# Altium PCB PCB_HFAmp.PcbDoc (part 1 of 2) (continued)
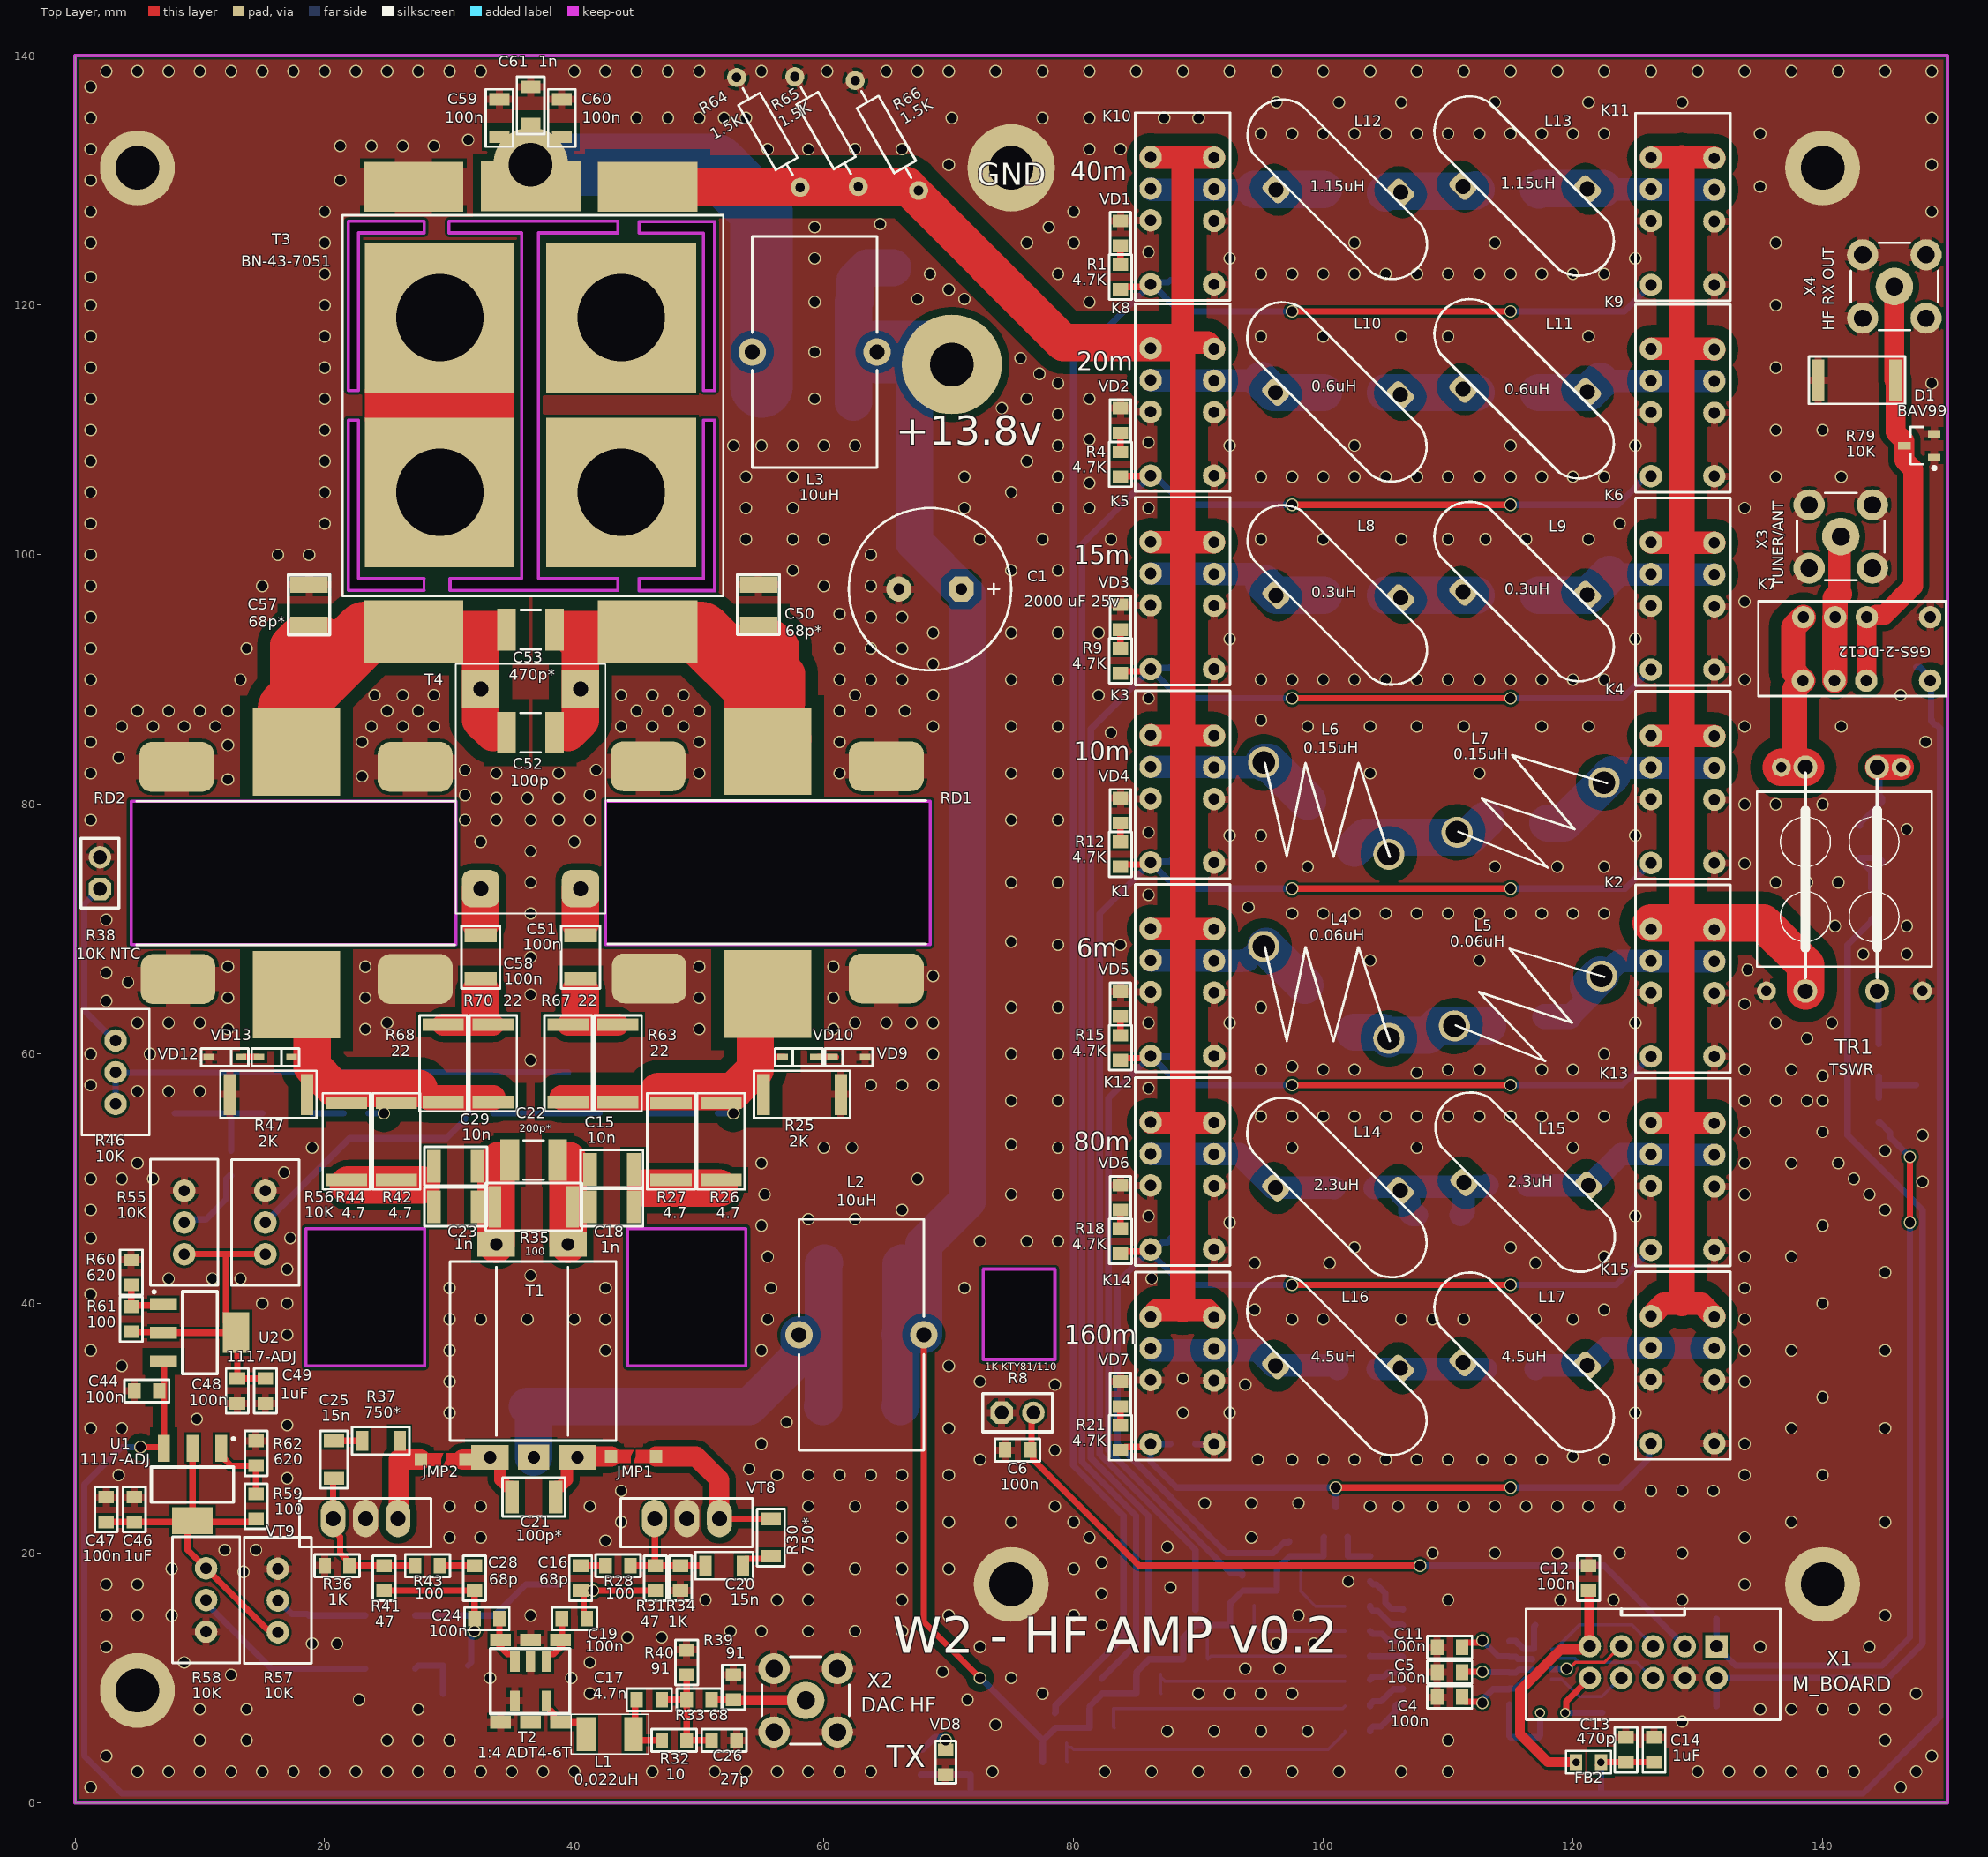
[diagram p0: Top Layer view]
## Components (designator, comment, footprint, x,y, rotation, side; value= is the part's Value field where it differs from the comment)
C1 "2000 uF 25v" D13C5H20 68.5,97.25 r180 top
C2 "470p" CH0805C 64.5,105.5 r180 bottom
C3 "1uF" CH0805C 64.5,102.5 r180 bottom
C4 "100n" CH0805C 110.12,8.46 r0 top
C5 "100n" CH0805C 110.12,10.46 r0 top
C6 "100n" CH0805C 75.5,28.25 r0 top
C7 "100n" CH0805C 122.37,6.21 r270 bottom
C8 "470p" CH0805C 115,4.25 r270 bottom
C9 "1uF" CH0805C 117.25,4.25 r270 bottom
C10 "100n" CH0805C 117,15.25 r90 bottom
C11 "100n" CH0805C 110.12,12.46 r180 top
C12 "100n" CH0805C 121.25,18 r90 top
C13 "470p" CH0805C 124.25,4.25 r90 top
C14 "1uF" CH0805C 126.5,4.25 r90 top
C15 "10n" CH1210C 43,50.75 r0 top
C16 "68p" CH0805C 40.5,18 r270 top
C17 "4.7n" CH0805C 46,8.25 r180 top
C18 "1n" CH1210C 43,47.75 r0 top
C19 "100n" CH0805C 40,14.75 r0 top
C20 "15n" CH1206C 52,19 r180 top
C21 "100p*" CH1210C 36.75,24.5 r180 top
C22 "200p*" CH1812C 36.75,51.5 r180 top
C23 "1n" CH1210C 30.5,47.75 r180 top
C24 "100n" CH0805C 33,14.75 r180 top
C25 "15n" CH1206C 20.75,27.5 r270 top
C26 "27p" CH0805C 52,5 r180 top
C27 "2.2uF" CH1206C 35.75,33.75 r90 bottom
C28 "68p" CH0805C 32,18 r270 top
C29 "10n" CH1210C 30.5,51 r180 top
C30 "1n5" CH1206C 38.25,33.75 r90 bottom
C31 "100n" CH0805C 27,59.5 r90 bottom
C32 "100n" CH0805C 8,54.25 r90 bottom
C33 "100n" CH0805C 37.5,54.25 r270 bottom
C34 "100n" CH0805C 36.25,18.5 r90 bottom
C35 "100n" CH0805C 29.5,7.75 r90 bottom
C36 "1n" CH0805C 68.75,52.25 r180 bottom
C37 "100n" CH0805C 68.75,55.25 r180 bottom
C38 "100n" CH0805C 20.75,16 r270 bottom
C39 "100n" CH0805C 20.75,9.75 r270 bottom
C40 "15n" CH0805C 10,54.25 r90 bottom
C41 "15n" CH0805C 35.5,54.25 r270 bottom
C42 "15n" CH0805C 18.75,16 r270 bottom
C43 "15n" CH0805C 18.75,9.75 r270 bottom
C44 "100n" CH0805C 5.75,33 r180 top
C45 "100n" CH0805C 71.75,3.25 r90 bottom
C46 "1uF" CH0805C 4.75,23.5 r90 top
C47 "100n" CH0805C 2.5,23.5 r90 top
C48 "100n" CH0805C 13,33 r270 top
C49 "1uF" CH0805C 15.25,33 r270 top
C50 "68p*" CH1206ATC 54.75,96 r270 top
C51 "100n" CH1210C 40.5,67.75 r90 top
C52 "100p" CH1812C 36.5,85.75 r0 top
C53 "470p*" CH1812C 36.5,94 r0 top
C54 "470p" CH1206C 62.5,125.5 r90 bottom
C55 "10n" CH1206C 70.5,108 r0 bottom
C56 "100n" CH1206C 67.5,124.75 r0 bottom
C57 "68p*" CH1206ATC 18.75,96 r90 top
C58 "100n" CH1210C 32.5,67.75 r90 top
C59 "100n" CH1206C 34,135 r270 top
C60 "100n" CH1206C 39,135 r270 top
C61 "1n" CH1206C 36.5,136 r270 top
C62 "10p" CH1206ATC 100.5,63.75 r135 bottom
C63 "10p" CH1206ATC 115.5,63 r180 bottom
C64 "22p" CH1206ATC 98.5,68 r225 bottom
C65 "47p" CH1206ATC 107.75,65.25 r270 bottom
C66 "22p" CH1206ATC 118.5,66.5 r315 bottom
C67 "100n" CH0805C 88.75,59.75 r0 bottom
C68 "22p" CH1206ATC 100.5,78.5 r135 bottom
C69 "22p" CH1206ATC 115.5,78.5 r180 bottom
C70 "68p" CH1206ATC 98.5,82.75 r225 bottom
C71 "120p" CH1206ATC 107.75,80.75 r270 bottom
C72 "68p" CH1206ATC 118.5,82 r315 bottom
C73 "100n" CH1206C 147.5,59 r90 bottom
C74 "100n" CH1206C 146.25,75.25 r180 bottom
C75 "100n" CH0805C 88.75,75.5 r0 bottom
C76 "33p" CH1206ATC 102.5,96.75 r180 bottom
C77 "33p" CH1206ATC 114.75,96.75 r180 bottom
C78 "100p" CH1206ATC 98.25,94 r90 bottom
C79 "200p" CH1206ATC 109,93.75 r90 bottom
C80 "100p" CH1206ATC 119,93.9 r90 bottom
C81 "100n" CH1206C 147.5,92.5 r90 bottom
C82 "100n" CH0805C 88.75,91 r0 bottom
C83 "68p" CH1206ATC 102.5,113 r180 bottom
C84 "68p" CH1206ATC 114.75,113 r180 bottom
C85 "180p" CH1206ATC 98.25,110.25 r90 bottom
C86 "390p" CH1206ATC 109,110 r90 bottom
C87 "180p" CH1206ATC 119,110 r90 bottom
C88 "100n" CH0805C 88.75,106.5 r0 bottom
C89 "100p" CH1206ATC 102.5,129 r180 bottom
C90 "100p" CH1206ATC 114.75,129.25 r180 bottom
C91 "390p" CH1206ATC 98.25,126.25 r90 bottom
C92 "680p" CH1206ATC 109,126.25 r90 bottom
C93 "390p" CH1206ATC 119,126.5 r90 bottom
C94 "100n" CH0805C 88.75,122 r0 bottom
C95 "150p" CH1206ATC 102.5,49.25 r180 bottom
C96 "150p" CH1206ATC 114.75,49.5 r180 bottom
C97 "680p" CH1206ATC 98.25,46.25 r90 bottom
C98 "1n" CH1206ATC 107.5,45.5 r90 bottom
C99 "200pF" CH1206ATC 111,45.5 r90 bottom
C100 "680p" CH1206ATC 119,46.5 r90 bottom
C101 "100n" CH0805C 88.75,45.25 r0 bottom
C102 "220p" CH1206ATC 102.75,34.75 r180 bottom
C103 "220p" CH1206ATC 114.65,34.75 r180 bottom
C104 "1n" CH1206ATC 98.5,32 r90 bottom
C105 "1n" CH1206ATC 109.25,32 r90 bottom
C106 "1n" CH1206ATC 119,32 r90 bottom
C107 "100n" CH0805C 88.75,28.75 r180 bottom
D1 "BAV99" SOT23_132 147.75,108.75 r180 top
DA1 "SN74LS145N" 16-SOP 106.37,7.88 r0 bottom
FB1 "BLM21" CH0805L 118.37,7.21 r0 bottom
FB2 "BLM21" CH0805L 121.25,3.25 r180 top
JMP1 "Jumper_2" "CON: JUMPER_2" 44.75,27.75 r180 top
JMP2 "Jumper_2" "CON: JUMPER_2" 29.5,27.5 r0 top
K1 "G6S-2-DC12" G6S-2-DC12 87.44,58.7 r90 top
K2 "G6S-2-DC12" G6S-2-DC12 127.52,58.659 r90 top
K3 "G6S-2-DC12" G6S-2-DC12 87.44,74.2 r90 top
K4 "G6S-2-DC12" G6S-2-DC12 127.52,74.159 r90 top
K5 "G6S-2-DC12" G6S-2-DC12 87.44,89.7 r90 top
K6 "G6S-2-DC12" G6S-2-DC12 127.52,89.659 r90 top
K7 "G6S-2-DC12" G6S-2-DC12 149.76,91.19 r180 top
K8 "G6S-2-DC12" G6S-2-DC12 87.44,105.2 r90 top
K9 "G6S-2-DC12" G6S-2-DC12 127.52,105.159 r90 top
K10 "G6S-2-DC12" G6S-2-DC12 87.44,120.53 r90 top
K11 "G6S-2-DC12" G6S-2-DC12 127.52,120.489 r90 top
K12 "G6S-2-DC12" G6S-2-DC12 87.44,43.2 r90 top
K13 "G6S-2-DC12" G6S-2-DC12 127.52,43.159 r90 top
K14 "G6S-2-DC12" G6S-2-DC12 87.44,27.61 r90 top
K15 "G6S-2-DC12" G6S-2-DC12 127.52,27.659 r90 top
L1 "0,022uH" CH1210L 39.95,4.15 r0 top
L2 "10uH" "IND: R24" 58,28.25 r0 top value={Value}
L3 "10uH" "IND: R24" 64.25,125.5 r180 top value={Value}
L4 "0.06uH" DR1 95.197,68.667 r90 top value={Value}
L5 "0.06uH" DR1 110.445,62.258 r145 top value={Value}
L6 "0.15uH" DR1 95.197,83.417 r90 top value={Value}
L7 "0.15uH" DR1 110.658,77.769 r145 top value={Value}
L8 "0.3uH" T68-0 101.283,96.481 r225 top value={Value}
L9 "0.3uH" T68-0 116.25,96.75 r225 top value={Value}
L10 "0.6uH" T68-0 101.25,112.75 r225 top value={Value}
L11 "0.6uH" T68-0 116.25,113 r225 top value={Value}
L12 "1.15uH" T68-0 101.283,128.981 r225 top value={Value}
L13 "1.15uH" T68-0 116.25,129.25 r225 top value={Value}
L14 "2.3uH" T68-0 101.25,49 r225 top value={Value}
L15 "2.3uH" T68-0 116.336,49.429 r225 top value={Value}
L16 "4.5uH" T68-0 101.25,34.75 r225 top value={Value}
L17 "4.5uH" T68-0 116.25,35 r225 top value={Value}
R1 "4.7K" CH0805R 83.75,122.25 r270 top
R2 "3K" CH0805R 102.75,5.75 r0 bottom
R3 "30k" CH0805R 78.5,3.25 r0 bottom
R4 "4.7K" CH0805R 83.75,107.25 r270 top
R5 "560" CAT16 118.3,9.9 r180 bottom
R6 "3K" CH0805R 102.75,7.75 r0 bottom
R7 "30k" CH0805R 82.25,6 r0 bottom
R8 "1K KTY81/110" "CON: PBS-2" 75.5,31.25 r0 top
R9 "4.7K" CH0805R 83.75,91.5 r270 top
R10 "3K" CH0805R 102.75,9.75 r0 bottom
R11 "30k" CH0805R 86,8.75 r0 bottom
R12 "4.7K" CH0805R 83.75,76 r270 top
R13 "3K" CH0805R 102.75,11.75 r0 bottom
R14 "30k" CH0805R 89.75,11.5 r0 bottom
R15 "4.7K" CH0805R 83.75,60.5 r270 top
R16 "3K" CH0805R 102.75,13.75 r0 bottom
R17 "30k" CH0805R 93.5,14.25 r0 bottom
R18 "4.7K" CH0805R 83.75,45 r270 top
R19 "3K" CH0805R 102.75,15.75 r0 bottom
R20 "30k" CH0805R 97.25,17 r0 bottom
R21 "4.7K" CH0805R 83.75,29.25 r270 top
R22 "3K" CH0805R 103.75,18.75 r270 bottom
R23 "30k" CH0805R 101,19.75 r0 bottom
R24 "4.7K" CH0805R 67.75,3.25 r270 bottom
R25 "2K" CH2512R 58.25,56.75 r180 top
R26 "4.7" CH2512R 51.75,53 r270 top
R27 "4.7" CH2512R 47.75,53 r270 top
R28 "100" CH0805R 43.5,19 r180 top
R29 "47" CH0805R 50.5,55.25 r0 bottom
R30 "750*" CH1206R 55.75,21.25 r270 top
R31 "47" CH0805R 46.5,18 r270 top
R32 "10" CH0805R 48,5 r0 top
R33 "68" CH0805R 50,8.25 r0 top
R34 "1K" CH0805R 48.5,18 r270 top
R35 "100" CH2512R 36.75,47.75 r180 top
R36 "1K" CH0805R 21,19 r180 top
R37 "750*" CH1206R 24.5,29 r180 top
R38 "10K NTC" "CON: PBS-2" 2,74.5 r90 top
R39 "91" CH0805R 52.75,9.25 r90 top
R40 "91" CH0805R 49,11.25 r90 top
R41 "47" CH0805R 24.75,18 r270 top
R42 "4.7" CH2512R 25.75,53 r270 top
R43 "100" CH0805R 28.25,19 r0 top
R44 "4.7" CH2512R 21.75,53 r270 top
R45 "47" CH0805R 22.5,55.25 r180 bottom
R46 "10K" "RES: 3296W" 3.25,56 r90 top
R47 "2K" CH2512R 15.5,56.75 r180 top
R48 "330" CH0805R 40,17.5 r180 bottom
R49 "330" CH0805R 30.5,11 r0 bottom
R50 "4.7" CH2512R 63,37.5 r0 bottom
R51 "4.7" CH2512R 63,31.75 r0 bottom
R52 "750" CH0805R 12.5,51.25 r270 bottom
R53 "750" CH0805R 32.5,55.25 r180 bottom
R54 "4.7" CH2512R 63.15,43.25 r0 bottom
R55 "10K" "RES: 3296W" 8.75,43.96 r90 top
R56 "10K" "RES: 3296W" 15.25,49.04 r270 top
R57 "10K" "RES: 3296W" 16.25,13.67 r90 top
R58 "10K" "RES: 3296W" 10.5,13.71 r90 top
R59 "100" CH0805R 14.5,23.75 r90 top
R60 "620" CH0805R 4.5,42.5 r90 top
R61 "100" CH0805R 4.5,38.75 r90 top
R62 "620" CH0805R 14.5,28 r270 top
R63 "22" CH2512R 43.5,59.25 r270 top
R64 "1.5K" R-DIP 53,138.25 r300 top
R65 "1.5K" R-DIP 57.662,138.312 r300 top
R66 "1.5K" R-DIP 62.5,138 r300 top
R67 "22" CH2512R 39.5,59.25 r270 top
R68 "22" CH2512R 29.5,59.25 r270 top
R69 "4.7" CH2512R 59.25,120.25 r180 bottom
R70 "22" CH2512R 33.5,59.25 r270 top
R71 "4.7" CH2512R 59.25,112.25 r180 bottom
R72 "4.7" CH2512R 59.25,116.25 r180 bottom
R73 "51" CH1206R 146,62.75 r180 bottom
R74 "51" CH1206R 146.25,80.5 r0 bottom
R75 "10" CH0805R 144.5,55.5 r90 bottom
R76 "10" CH0805R 144.25,72 r90 bottom
R77 "510" CH0805R 131.5,15.75 r90 bottom
R78 "510" CH0805R 131.5,6.75 r90 bottom
R79 "10K" CH2512R 142.75,114 r180 top
RD1 "VT?" RD100 55.5,59.806 r0 top
RD2 "VT?" RD100 17.75,59.75 r0 top
T1 "" BN43-202-RD16 36.75,36.212 r270 top
T2 "1:4 ADT4-6T" TRANSF_ACORE2 36.5,9.75 r270 top
T3 "BN-43-7051" BN61-002-V1 21.94,91.196 r90 top
T4 "FT50-43" "TRANS OS W2" 42.5,91.25 r180 top
TR1 "TSWR" TANDEM 141.25,74 r90 top
U1 "1117-ADJ" LT1117CST-3.3 9.5,25.5 r270 top value=AMS1117-ADJ
U2 "1117-ADJ" LT1117CST-3.3_2 10,37.75 r0 top value=LD1117-ADJ
VD1 "LED BLUE" "LED: 0805B" 83.75,125.75 r90 top
VD2 "LED BLUE" "LED: 0805B" 83.75,110.75 r90 top
VD3 "LED BLUE" "LED: 0805B" 83.75,95 r90 top
VD4 "LED BLUE" "LED: 0805B" 83.75,79.5 r90 top
VD5 "LED BLUE" "LED: 0805B" 83.75,64 r90 top
VD6 "LED BLUE" "LED: 0805B" 83.75,48.5 r90 top
VD7 "LED BLUE" "LED: 0805B" 83.75,32.75 r90 top
VD8 "LED RED" "LED: 0805R" 69.75,3.25 r270 top
VD9 "CDSOD323-T05C" SOD323 62,59.75 r180 top
VD10 "CDSOD323-T05C" SOD323 58,59.75 r180 top
VD11 "SS14" SMA 44,55.25 r0 bottom
VD12 "CDSOD323-T05C" SOD323 12,59.75 r0 top
VD13 "CDSOD323-T05C" SOD323 16.05,59.75 r0 top
VD14 "SS14" SMA 17,55.25 r0 bottom
VD15 "1N4148W" SOD123 39.5,55.25 r90 bottom
VD16 "1N4148W" SOD123 12.5,55.25 r90 bottom
VD17 "SS14" SMA 25.25,15 r0 bottom
VD18 "SS14" SMA 25.25,10.75 r0 bottom
VD19 "BAT46JFILM" SOD323 144.5,59.5 r270 bottom
VD20 "BAT46JFILM" SOD323 143,77 r270 bottom
VD21 "1N4148W" SOD123 145.5,86.75 r0 bottom
VD22 "1N4148W" SOD123 130.5,60.85 r180 bottom
VD23 "1N4148W" SOD123 130.5,76.35 r180 bottom
VD24 "1N4148W" SOD123 130.5,91.85 r180 bottom
VD25 "1N4148W" SOD123 130.5,107.35 r180 bottom
VD26 "1N4148W" SOD123 130.5,122.75 r180 bottom
VD27 "1N4148W" SOD123 130.5,45.25 r180 bottom
VD28 "1N4148W" SOD123 130.5,29.85 r180 bottom
VT1 "IRLML9301" SOT23_132 78.5,6 r90 bottom
VT2 "IRLML9301" SOT23_132 82.25,8.75 r90 bottom
VT3 "IRLML9301" SOT23_132 86,11.5 r90 bottom
VT4 "IRLML9301" SOT23_132 89.75,14.25 r90 bottom
VT5 "IRLML9301" SOT23_132 93.5,17 r90 bottom
VT6 "IRLML9301" SOT23_132 97.25,19.75 r90 bottom
VT7 "IRLML9301" SOT23_132 101,22.5 r90 bottom
VT8 "MOSFET N-channel transistor, 80V, 7A, 9.1nC, 2.5W, 34mOhm, 756pF, 8-TDSON, -55...+150°C" rd16 48.5,26.5 r0 top
VT9 "MOSFET N-channel transistor, 80V, 7A, 9.1nC, 2.5W, 34mOhm, 756pF, 8-TDSON, -55...+150°C" rd16 22.75,26.5 r0 top
X1 "M_BOARD" "CON: BH-10" 131.5,12.54 r180 top
X2 "DAC HF" "CON: SMA" 58.54,8.21 r0 top
X3 "TUNER/ANT" "CON: SMA" 141.46,101.46 r0 top
X4 "HF RX OUT" "CON: SMA" 145.75,121.5 r0 top

## Footprints (in the part's own frame and the unit in brackets; to place one, negate y for a bottom-side part, rotate by r counter-clockwise, add the part's x,y. Pads: shape width x height; smd on the part's side, far side on the other; paste and mask are expansions set on the pad)
16-SOP [mm]
  rect 1.67x0.76 smd: 1(0,0)
  oval 1.67x0.76 smd: 2(0,-1.27) 3(0,-2.54) 4(0,-3.81) 5(0,-5.08) 6(0,-6.35) 7(0,-7.62) 8(0,-8.89) 9(8.53,-8.89) 10(8.53,-7.62) 11(8.53,-6.35) 12(8.53,-5.08) 13(8.53,-3.81) 14(8.53,-2.54) 15(8.53,-1.27) 16(8.53,0)
  round 0.5 on Bottom Overlay: 8(0,0.9)
  round 0.5 on Mech1: 9(0,1.5)
  silkscreen extent 1.75,-10.25 6.86,1.5, body extent 0.3,-9.54 8.23,0.66, height 1.8
BN43-202-RD16 [mm] "PA HF W2  RD16 TR"
  rect 2x3 hole 1: 1(-8.538,-3) 2(-8.538,2.75) 3(8.538,-3.5) 4(8.538,3.5)
  rect 2x2.5 hole 1: 5(8.525,0)
  silkscreen extent -7.16,-6.7 7.19,6.6, body extent -7.11,-6.7 7.24,6.5, height 7.55
BN61-002-V1 [mm]
  rect 12x12 hole 7 mask+0.102: 0(13.804,-21.81) 0(13.804,-7.275) 0(27.804,-21.81) 0(27.804,-7.275)
  rect 5x8 smd: 1(2.65,-23.925) 2(2.65,-5.175)
  rect 4x8 smd: 3(38.3,-23.925) 4(38.3,-5.175) 5(38.345,-14.565)
  Top Layer region: 19.5,-13.275 22.1,-13.275 22.1,-1.276 19.5,-1.276
  Keep-Out Layer lines w0.2: 6.9,-10.675 6.9,-13.85 34.6,-13.85 34.6,-8.025 35.525,-8.025 35.525,-21.575 ; 6.9,-10.95 6.9,-8.1 5.95,-8.1 5.95,-18.575 ; 5.95,-18.3 5.95,-21.56 6.9,-21.56 6.9,-15.175 34.6,-15.175 34.6,-21.56 35.525,-21.56 ; 19.6,0.05 5.95,0.05 5.95,-6.025 6.9,-6.025 6.9,-0.775 19.6,-0.775 19.6,0.05 ; 19.6,0.05 19.6,0.05 ; 21.975,0.05 35.525,0.05 35.525,-6.025 34.6,-6.025 34.6,-0.775 21.975,-0.775 21.975,0.05 ; 5.934,-23.234 5.934,-29.309 19.6,-29.309 19.6,-28.4 6.884,-28.4 6.884,-23.234 5.934,-23.234 ; 34.584,-23.234 34.584,-28.4 34.275,-28.4 21.975,-28.4 21.975,-29.309 35.509,-29.309 35.509,-23.234 34.584,-23.234
  silkscreen extent 5.5,-30 36,0.5, body extent 4.77,-28.9 36.72,-0.2, height 14.25
CAT16 [mm]
  rect 1x0.45 smd: 1(0,0) 2(0,0.8) 3(0,1.6) 4(0,2.4) 5(1.55,0) 6(1.55,0.8) 7(1.55,1.6) 8(1.55,2.4)
  silkscreen extent -0.61,-0.52 2.17,2.92, body extent -0.07,-0.4 1.53,2.8, height 0.5
CH0805C [mm] "Chip Capacitor, 2-Leads, Body 2,00x1,20mm, IPC Medium Density"
  rect 1x1.25 smd: 1(-1,0) 2(1,0)
  silkscreen extent -1.8,-0.9 1.8,0.9, body extent -1,-0.62 1,0.63, height 0.78
CH0805L [mm]
  rect 1x1.25 smd: 1(-1,0) 2(1,0)
  silkscreen extent -1.8,-0.9 1.8,0.9, body extent -1,-0.62 1,0.63, height 0.85
CH0805R [mm]
  rect 1x1.25 smd: 1(-1,0) 2(1,0)
  silkscreen extent -1.8,-0.9 1.8,0.9, body extent -1,-0.6 1,0.6, height 0.44
CH1206ATC [mm] "Chip Resistor, Body 3.2x1.6mm, EIA 1206, IPC Medium Density"
  rect 1.3x3 smd: 1(-1.6,0) 2(1.6,0)
  silkscreen extent -2.43,-1.67 2.4,1.67, body extent -1.6,-0.8 1.6,0.8, height 1
CH1206C [mm] "Non polar chip capacitor, size 1206"
  rect 1x1.6 smd: 1(-1.5,0) 2(1.5,0)
  silkscreen extent -2.3,-1.1 2.3,1.1, body extent -1.6,-0.8 1.6,0.8, height 1
CH1206R [mm] "Chip Resistor, 2-Leads, Body 3,0x1,5mm, IPC Low Density"
  rect 1x1.6 smd: 1(-1.5,0) 2(1.5,0)
  silkscreen extent -2.3,-1.1 2.3,1.1, body extent -1.65,-0.8 1.55,0.8, height 0.47
CH1210C [mm] "Non polar chip capacitor, size 1210"
  rect 1.1x2.6 smd: 1(-1.75,0) 2(1.75,0)
  silkscreen extent -2.5,-1.55 2.5,1.55, body extent -2,-1.24 2,1.24, height 1.7
CH1210L [mm]
  rect 1.5x2.7 smd: 1(1,1.35) 2(4.8,1.35)
  silkscreen extent -0.2,-0.25 6.02,2.95, body extent 1.45,-0.09 4.65,2.61, height 2
CH1812C [mm]
  rect 1.5x3.35 smd: 1(-1.925,0) 2(1.925,0)
  silkscreen extent -0.8,-1.58 0.8,1.58, body extent -2.25,-1.6 2.25,1.6, height 1.6
CH2512R [mm]
  rect 1x3.3 smd: 1(-3.1,0) 2(3.1,0)
  silkscreen extent -3.85,-1.9 3.85,1.9, body extent -3.18,-1.6 3.18,1.6, height 0.52
"CON: BH-10" [mm] "Connector; Header; 10 Position"
  rect 1.8x1.8 hole 1: 1(0,0)
  round 1.8 hole 1: 2(0,2.54) 3(2.54,0) 4(2.54,2.54) 5(5.08,0) 6(5.08,2.54) 7(7.62,0) 8(7.62,2.54) 9(10.16,0) 10(10.16,2.54)
  round 0.5 on Top Overlay: ""(-5.7,-2.5)
  round 0.5 on Mech1: ""(-4.5,-2.5)
  silkscreen extent -5.1,-3 15.25,5.9, body extent -5.07,-2.98 15.23,5.87, height 2.77
"CON: JUMPER_2" [mm]
  rect 1x1 smd: 1(-1.8,0) 2(1.8,0)
  Top Layer region: -1.3,0.5 0,0.5 -0.2,0 -0.2,-0.5 -1.3,-0.5
  Top Layer region: 1.3,0.5 0.225,0.5 0.225,0 0,-0.5 1.3,-0.5
"CON: PBS-2" [mm] "PBS-2"
  oct 1.8x1.8 hole 1.1: 1(-1.27,0)
  round 1.8 hole 1.1: 2(1.27,0)
  silkscreen extent -2.79,-1.52 2.79,1.52
"CON: SMA" [mm]
  round 3 hole 1.45: 1(0,0)
  round 2.5 hole 1.4: 2(-2.54,-2.54) 2(-2.54,2.54) 2(2.54,-2.54) 2(2.54,2.54)
  silkscreen extent -3.5,-3.5 3.5,3.5, body extent -3.5,-3.5 3.5,3.5, height 9.53
D13C5H20 [mm] "Polar capacitor, diameter 13 mm, leads clearance 5 mm, height 20 mm"
  oct 2x2 hole 0.9: 1(-2.5,0)
  round 2 hole 0.9: 2(2.5,0)
  silkscreen extent -6.5,-6.5 6.5,6.5, body extent -6.5,-6.5 6.5,6.5, height 25
DR1 [mm]
  round 2.5 hole 1.8: 1(-7.417,-10.053) 2(-0.05,-0.025)
  silkscreen extent -7.62,-10.13 -0.12,-0.13, body extent -7.9,-10.53 0.5,0.48, height 8.6
G6S-2-DC12 [mm]
  round 1.8 hole 0.9: 1(1.14,1.27) 3(6.261,1.27) 4(8.801,1.27) 5(11.341,1.27) 8(11.3,-3.81) 9(8.76,-3.81) 10(6.22,-3.81) 12(1.14,-3.81)
  silkscreen extent -0.14,-5.1 14.9,2.5, body extent 0,-4.95 14.8,2.35, height 8.55
"IND: R24" [mm]
  round 2.2 hole 1.2: 1(0,9.25) 2(10,9.25)
  silkscreen extent 0,0 10,18.5, body extent 0,0 10,18.5, height 18.25
"LED: 0805B" [mm]
  rect 1x1.25 smd: 1(-1,0) 2(1,0)
  silkscreen extent -1.7,-0.82 1.7,0.82, body extent -1.05,-0.67 1.05,0.68, height 0.9
"LED: 0805R" [mm]
  rect 1x1.25 smd: 1(-1,0) 2(1,0)
  silkscreen extent -1.7,-0.82 1.7,0.82, body extent -1.05,-0.67 1.05,0.68, height 0.9
LT1117CST-3.3 [mm]
  rect 2.15x0.95 smd: 1(-2.9,2.215) 2(-2.9,-0.085) 3(-2.9,-2.385)
  rect 2.15x3.25 smd: 4(2.9,-0.085)
  silkscreen extent -3.86,-3.38 1.4,3.38
LT1117CST-3.3_2 [mm]
  rect 2.15x0.95 smd: 1(-2.9,2.215) 2(-2.9,-0.085) 3(-2.9,-2.385)
  rect 2.15x3.25 smd: 4(2.9,-0.085)
  silkscreen extent -3.86,-3.38 1.4,3.38
R-DIP [mil]
  round 60 hole 30: 1(0,0) 2(400.59,0)
  silkscreen extent 39,-39 354,39, body extent -12,-48 412,43, height 116
rd16 [mm] "RD16"
  oval 2x3 hole 1.2: 1(-2.075,-3.725) 2(0.525,-3.725) 3(3.125,-3.725)
  silkscreen extent -4.77,-6.01 5.77,-2.11, body extent -4.25,-4.01 5.25,19.6, height 1.19
RD100 [mm]
  rect 7x7 smd: 1(0,24.444) 3(0,5)
  rrect50% 6x4 smd: 2(-9.6,23.25) 2(-9.5,6.25) 2(9.5,23.25) 2(9.5,6.25)
  silkscreen extent -12.83,9 12.67,20.5, body extent -12.5,2.8 12.5,26.81, height 3.1
"RES: 3296W" [mm]
  round 1.8 hole 0.9: 1(0,0) 2(2.54,0) 3(5.08,0)
  round 0.5 on Top Overlay: 4(-3,2.5)
  silkscreen extent -2.5,-2.7 7.6,2.7, body extent -2.22,-2.4 7.31,2.4, height 11.55
SMA [mm]
  rect 1.7x2.5 smd: 1(-2,0) 2(2,0)
  round 0.5 on Mech1: ""(2,0.9)
  silkscreen extent -3.1,-1.6 3.1,1.5, body extent -2.5,-1.35 2.5,1.35, height 2.28
SOD123 [mm]
  rect 0.91x1.22 smd: 1(0,0) 2(3.275,0)
  round 0.5 on Mech1: 4(3,0.4)
  silkscreen extent -0.7,-0.9 4,0.9, body extent -0.25,-0.8 3.45,0.8, height 1.25
SOD323 [mm]
  rect 0.85x0.5 smd: 1(-1.3,0) 2(1.3,0)
  round 0.5 on Mech1: 5(0.7,0.2)
  silkscreen extent -1.9,-0.7 1.9,0.7, body extent -1.15,-0.6 1.15,0.6, height 1.04
SOT23_132 [mm] "SOT23, 3-Leads, Body 3,0x2,6mm (max), Pitch 0,95mm, IPC Medium Density"
  rect 1x0.6 smd: 1(-1.2,0.95) 2(-1.2,-0.95) 3(1.2,0)
  round 0.5 on Mech1: ""(-0.9,1.1)
  silkscreen extent -1.33,-1.5 0.7,1.92, body extent -1.32,-1.52 1.32,1.52, height 1.12
T68-0 [mm]
  rrect50% 1.524x2 hole 1.2: 1(-3.525,3.425) 2(3.4,-3.775)
  silkscreen extent -2.85,-9.32 2.65,8.67, body extent -2.6,-9.32 2.4,8.68, height 18
TANDEM [mm]
  round 1.9 hole 1.2: 1(-8.95,-3.125) 2(8.975,-3.125) 3(8.975,2.625) 4(-8.95,2.625)
  round 1.524 hole 0.8: 5(-8.95,5.75) 6(8.975,-5.05) 7(-8.95,-6.75) 8(8.975,4.55)
  silkscreen extent -7.88,-7.5 8.5,6.5, body extent -4.8,-7 5.45,6.2, height 7.55
"TRANS OS W2" [mm]
  rrect50% 3x3 hole 1.2: 1(2,18) 2(10,18)
  rect 3x3 hole 1.2: 3(2,2) 4(10,2)
  silkscreen extent 0,0 12,20, body extent 2.02,1.15 11.63,19.15, height 18
TRANSF_ACORE2 [mm]
  rect 1x1.65 smd: 1(-3.3,2.4) 2(-3.3,0) 3(-3.3,-2.4) 4(3.3,-2.4) 5(3.3,0) 6(3.3,2.4)
  rect 1.65x0.76 smd: 7(-1.59,1.27) 8(-1.59,0) 9(-1.59,-1.27) 10(1.59,1.27) 11(1.59,-1.27)
  silkscreen extent -2.61,-3.21 2.61,3.13

## Part data
C1: library part AlumCap
C2 C3 C4 C5 C6 C7 C8 C9 C10 C11 C12 C13 C14 C15 C16 C17 C18 C19 C20 C21 C22 C23 C24 C25 C26 C27 C28 C29 C30 C31 C32 C33 C34 C35 C36 C37 C38 C39 C40 C41 C42 C43 C44 C45 C46 C47 C48 C49 C50 C51 C52 C53 C54 C55 C56 C57 C58 C59 C60 C61 C62 C63 C64 C65 C66 C67 C68 C69 C70 C71 C72 C73 C74 C75 C76 C77 C78 C79 C80 C81 C82 C83 C84 C85 C86 C87 C88 C89 C90 C91 C92 C93 C94 C95 C96 C97 C98 C99 C100 C101 C102 C103 C104 C105 C106 C107: library part Capacitor
FB1 FB2: library part FB-1
JMP1 JMP2: "Jumper"
K1 K2 K3 K4 K5 K6 K7 K8 K9 K10 K11 K12 K13 K14 K15: library part G6S-2-DC12V_2
L1: library part Inductor-2
L2 L3 L4 L5 L6 L7 L8 L9 L10 L11 L12 L13 L14 L15 L16 L17: library part "Inductor ring"
R1 R2 R3 R4 R6 R7 R9 R10 R11 R12 R13 R14 R15 R16 R17 R18 R19 R20 R21 R22 R23 R24 R25 R26 R27 R28 R29 R30 R31 R32 R33 R34 R35 R36 R37 R39 R40 R41 R42 R43 R44 R45 R47 R48 R49 R50 R51 R52 R53 R54 R59 R60 R61 R62 R63 R64 R65 R66 R67 R68 R69 R70 R71 R72 R73 R74 R75 R76 R77 R78 R79: library part Resistor
R5: library part CAT10-0804
R8 R38: library part NTC
R46 R55 R56 R57 R58: library part "ADJ resistor"
RD1: library part N-1
RD2: library part N-1, "RD100"
T1: library part TRANS-RD16
T2: library part TRANSF_ACORE2, "Transformer"
T3: library part BN-43-7051_1
T4: library part Trans_L
TR1: library part BN43-302
U1 U2: library part LT1117CST-3.3, "LT1117CST-ADJ"
VD1: library part LED_single, Color="LPF 160m", Temperature=-55...+150°C, ValueManufacturerPartNumber="LED, *, *, *, -55...+150°C", TypeDiode=LED
VD2: library part LED_single, Color="LPF 80m", Temperature=-55...+150°C, ValueManufacturerPartNumber="LED, *, *, *, -55...+150°C", TypeDiode=LED
VD3: library part LED_single, Color="LPF 40", Temperature=-55...+150°C, ValueManufacturerPartNumber="LED, *, *, *, -55...+150°C", TypeDiode=LED
VD4: library part LED_single, Color="LPF 20", Temperature=-55...+150°C, ValueManufacturerPartNumber="LED, *, *, *, -55...+150°C", TypeDiode=LED
VD5: library part LED_single, Color="LPF 15", Temperature=-55...+150°C, ValueManufacturerPartNumber="LED, *, *, *, -55...+150°C", TypeDiode=LED
VD6: library part LED_single, Color="LPF 10", Temperature=-55...+150°C, ValueManufacturerPartNumber="LED, *, *, *, -55...+150°C", TypeDiode=LED
VD7: library part LED_single, Color="LPF 6", Temperature=-55...+150°C, ValueManufacturerPartNumber="LED, *, *, *, -55...+150°C", TypeDiode=LED
VD8: library part LED_single, Color=TX, Temperature=-55...+150°C, ValueManufacturerPartNumber="LED, *, *, *, -55...+150°C", TypeDiode=LED
VD9 VD10 VD12 VD13: library part TVS-diod
VD11 VD14 VD17 VD18 VD19 VD20: library part "Diod Schottky"
VD15 VD16 VD21 VD22 VD23 VD24 VD25 VD26 VD27 VD28: library part Diod
VT1 VT2 VT3 VT4 VT5 VT6 VT7: "Mosfet"
VT8 VT9: library part MOSFET_N_132, CurrentDS=7A, InputCapacitor=756pF, Manufacturer="Infineon Technologies", MaxPower=2.5W, Package=8-TDSON, PartNumber=RD16HHF, Temperature=-55...+150°C, VoltageDS=80V, GateCharge=9.1nC, HelpURL=https://www.digikey.com/product-detail/en/infineon-technologies/BSC340N08NS3GATMA1/BSC340N08NS3GATMA1TR-ND/2080655, RDS=34mOhm, TypeTransistor="MOSFET N-channel transistor", ValueManufacturerPartNumber="MOSFET N-channel transistor, 80V, 7A, 9.1nC, 2.5W, 34mOhm, 756pF, 8-TDSON, -55...+150°C"
X1: library part IDC10, "2*5 Pin"
X2 X3 X4: library part SMA, "RF"

## Free pads (board coordinates)
  round 6 hole 3.5: 9(75,17.5) 9(140,17.5) 10(140,131) 11(5,131) 12(5,9) 15(36.5,131.25)
  round 8 hole 3.5: 13(70.25,115.25)
  round 7 hole 3.5: 14(75,131)

## Via types
v1: diameter 1, hole 0.8, Top Layer to Bottom Layer, tented both sides, 819 vias
v2: diameter 0.8, hole 0.6, Top Layer to Bottom Layer, tented both sides, 4 vias

## Nets (pads, with @x,y where several pads share a name; then routed paths per layer and width w, separated by ;. In a path a pad name is that pad's centre, name@x,y a point inside that pad or via, vN(x,y) a via of type N, cw(c..) or ccw(c..) an arc to the next point about the centre after c; other vN are vias at no path point)
+5V_D: C8.1 C9.1 DA1.16 FB1.1 | length 6.9
  Bottom Layer w0.508: DA1.16@114.9,7.88 114.9,5.35 C8.1@115,5.25 C9.1@117.25,5.25 117.37,5.37 v2(117.37,7.21)
+5V_HF: C7.1 FB1.2 X1.10 | length 6.6
  Top Layer w0.508: v2(119.37,7.21) 119.474,7.314 119.474,8.134 X1.10@121.34,10
  Bottom Layer w0.508: v2(119.37,7.21) C7.1@122.37,7.21
+12TX: C13.1 C14.1 C44.1 C45.1 C81.1 FB2.1 K7.1 R24.2 U1.3 U2.3 VD21.2 | length 286.5
  Top Layer w0.508: v1(5.25,28.5) 7.015,28.5 U1.3@7.115,28.4 7.115,35.35 U2.3@7.1,35.365 ; FB2.1@122.004,3.004 v2(122.25,3.25) C14.1@126.5,3.25
  Bottom Layer w0.508: v1(5.25,28.5) 3.75,28.5 0.75,25.5 0.75,3.75 3.75,0.75 71.75,0.75 ; R24.2@67.75,2.25 C45.1@71.5,2.25 ; C45.1@71.75,2.25 71.75,0.75 ; v2(122.25,3.25) 122.25,0.75 ; C81.1@147.5,91 147.8,91 148.62,90.18 K7.1@148.62,89.92 148.697,89.842 148.697,86.672 VD21.2@148.775,86.595 ; VD21.2@148.775,86.75 VD21.2@148.775,86.595 ; 71.75,0.75 122.25,0.75 ; 122.25,0.75 143.25,0.75 149.419,6.919 149.419,86.096 149.121,86.394 148.976,86.394 VD21.2@148.775,86.595
+13V8: C1.1 C2.1 C3.1 C36.1 C37.1 C54.1 C55.1 C56.1 L2.2 L3.1 pad.13 R3.1 R7.1 R11.1 R14.1 R17.1 R20.1 R23.1 R50.2 R51.2 R54.2 R69.1 R71.1 R72.1 VT1.2 VT2.2 VT3.2 VT4.2 VT5.2 VT6.2 VT7.2 | length 188.5
  Top Layer w0.508: L2.2@68,37.5 68,14.5 v1(72.5,10)
  Bottom Layer w0.508: v1(72.5,10) 72.55,10 VT1.2@77.55,5 ; R3.1@77.5,3.25 77.525,3.275 77.525,4.775 VT1.2@77.55,4.8 VT1.2@77.55,5 ; VT7.2@100.05,21.3 100.025,21.275 100.025,19.775 R23.1@100,19.75 97.3,19.75 96.3,18.75 VT6.2@96.3,18.55 96.275,18.525 96.275,17.025 R20.1@96.25,17 93.55,17 92.55,16 VT5.2@92.55,15.8 92.525,15.775 92.525,14.275 R17.1@92.5,14.25 89.8,14.25 88.8,13.25 VT4.2@88.8,13.05 88.775,13.025 88.775,11.525 R14.1@88.75,11.5 86.05,11.5 85.05,10.5 VT3.2@85.05,10.3 85.025,10.275 85.025,8.775 R11.1@85,8.75 82.3,8.75 81.3,7.75 VT2.2@81.3,7.55 81.275,7.525 81.275,6.025 R7.1@81.25,6 78.55,6 VT1.2@77.55,5
  Bottom Layer w3: R71.1@62.35,112.25 R72.1@62.35,116.25 R69.1@62.35,120.25 62.5,120.4 62.5,122 63.5,123 65.5,123 ; R51.2@66.1,31.75 66.175,31.825 R50.2@66.175,37.5 ; R50.2@66.1,37.5 R50.2@66.175,37.5 ; R54.2@66.25,43.25 66.175,43.175 R50.2@66.175,37.5 ; pad.13@67.25,115.75 67.25,108 67.25,101 71.5,96.75 71.5,55.25 71.5,48.25 68,44.75 L2.2@68,37.5 R50.2@66.175,37.5 ; pad.13@70.25,115.25 pad.13@70.25,116.25
  Bottom Layer w5: L3.1@64.25,116.25 pad.13@70.25,116.25
+LPF_6: C67.1 K1.1 K2.1 R15.2 VD22.2 VT5.3 | length 94.1
  Top Layer w0.508: R15.2@83.75,59.5 83.92,59.67 86,59.67 K1.1@86.17,59.84 ; v1(97.5,57.5) v1(115,57.5)
  Bottom Layer w0.508: C67.1@87.75,59.75 87.705,59.795 K1.1@86.215,59.795 ; VT5.3@93.5,18.2 93.5,18.4 93.454,18.446 92.554,18.446 82.792,28.208 82.792,56.462 K1.1@86.17,59.84 K1.1@86.215,59.795 ; v1(97.5,57.5) 88.51,57.5 K1.1@86.215,59.795 ; v1(115,57.5) 123.951,57.5 K2.1@126.25,59.799
+LPF_10: C75.1 K3.1 K4.1 R12.2 VD23.2 VT4.3 | length 110.8
  Top Layer w0.508: R12.2@83.75,75 83.92,75.17 86,75.17 K3.1@86.17,75.34 ; v1(97.5,73.25) v1(115,73.25)
  Bottom Layer w0.508: C75.1@87.75,75.5 87.67,75.42 86.25,75.42 K3.1@86.17,75.34 ; VT4.3@89.75,15.45 89.75,20.249 82.084,27.915 82.084,71.254 K3.1@86.17,75.34 ; v1(97.5,73.25) 88.26,73.25 K3.1@86.17,75.34 ; v1(115,73.25) 124.201,73.25 K4.1@126.25,75.299
+LPF_15: C82.1 K5.1 K6.1 R9.2 VD24.2 VT3.3 | length 128.2
  Top Layer w0.508: R9.2@83.75,90.5 83.92,90.67 86,90.67 K5.1@86.17,90.84 ; v1(97.5,88.5) v1(115,88.5)
  Bottom Layer w0.508: VT3.3@86,12.7 86,22.997 81.376,27.621 81.376,86.046 K5.1@86.17,90.84 ; C82.1@87.75,91 87.67,90.92 86.25,90.92 K5.1@86.17,90.84 ; v1(97.5,88.5) 88.51,88.5 K5.1@86.17,90.84 ; v1(115,88.5) 123.951,88.5 K6.1@126.25,90.799
+LPF_20: C88.1 K8.1 K9.1 R4.2 VD25.2 VT2.3 | length 146.1
  Top Layer w0.508: R4.2@83.75,106.25 83.795,106.295 86.125,106.295 K8.1@86.17,106.34 ; v1(97.5,104) v1(115,104)
  Bottom Layer w0.508: VT2.3@82.25,9.95 85,12.7 85,22.996 80.668,27.328 80.668,100.838 K8.1@86.17,106.34 86.519,106.34 88.859,104 v1(97.5,104) ; v1(115,104) 123.602,104 125.9,106.299 K9.1@126.25,106.299
+LPF_40: C94.1 K10.1 K11.1 R1.2 VD26.2 VT1.3 | length 167.2
  Top Layer w0.508: R1.2@83.75,121.25 83.96,121.46 85.96,121.46 K10.1@86.17,121.67 ; v1(97.5,119.5) v1(115,119.5)
  Bottom Layer w0.508: VT1.3@78.5,7.2 78.546,7.246 78.546,7.796 84,13.25 84,22.995 79.96,27.035 79.96,115.46 K10.1@86.17,121.67 ; C94.1@87.75,122 87.585,121.835 86.335,121.835 K10.1@86.17,121.67 ; v1(97.5,119.5) 88.483,119.5 86.313,121.67 K10.1@86.17,121.67 ; v1(115,119.5) 124.121,119.5 K11.1@126.25,121.629
+LPF_80: C101.1 K12.1 K13.1 R18.2 VD27.2 VT6.3 | length 81.5
  Top Layer w0.508: R18.2@83.75,44 83.92,44.17 86,44.17 K12.1@86.17,44.34 ; v1(97.5,41.5) v1(115,41.5)
  Bottom Layer w0.508: K12.1@86.04,44.21 83.5,41.67 83.5,28.75 92.25,20 95.983,20 96.841,20.858 97.204,20.858 97.25,20.904 VT6.3@97.25,20.95 ; C101.1@87.75,45.25 87.75,45.125 87.504,44.879 87.058,44.879 86.519,44.34 K12.1@86.17,44.34 86.17,44.08 88.75,41.5 v1(97.5,41.5) ; v1(115,41.5) 123.451,41.5 K13.1@126.25,44.299
+LPF_160: C107.2 K14.1 K15.1 R21.2 VD28.2 VT7.3 | length 50.2
  Top Layer w0.508: R21.2@83.75,28.25 83.875,28.25 84.128,28.503 85.922,28.503 K14.1@86.17,28.75 ; v1(101,25.25) v1(115,25.25)
  Bottom Layer w0.508: C107.2@87.75,28.75 K14.1@86.17,28.75 86.17,27.33 88.25,25.25 v1(101,25.25) VT7.3@101,23.7 ; v1(115,25.25) 123.75,25.25 126.107,27.607 126.107,28.656 K15.1@126.25,28.799